# KiCad board OPS-K3572.kicad_pcb (continued)
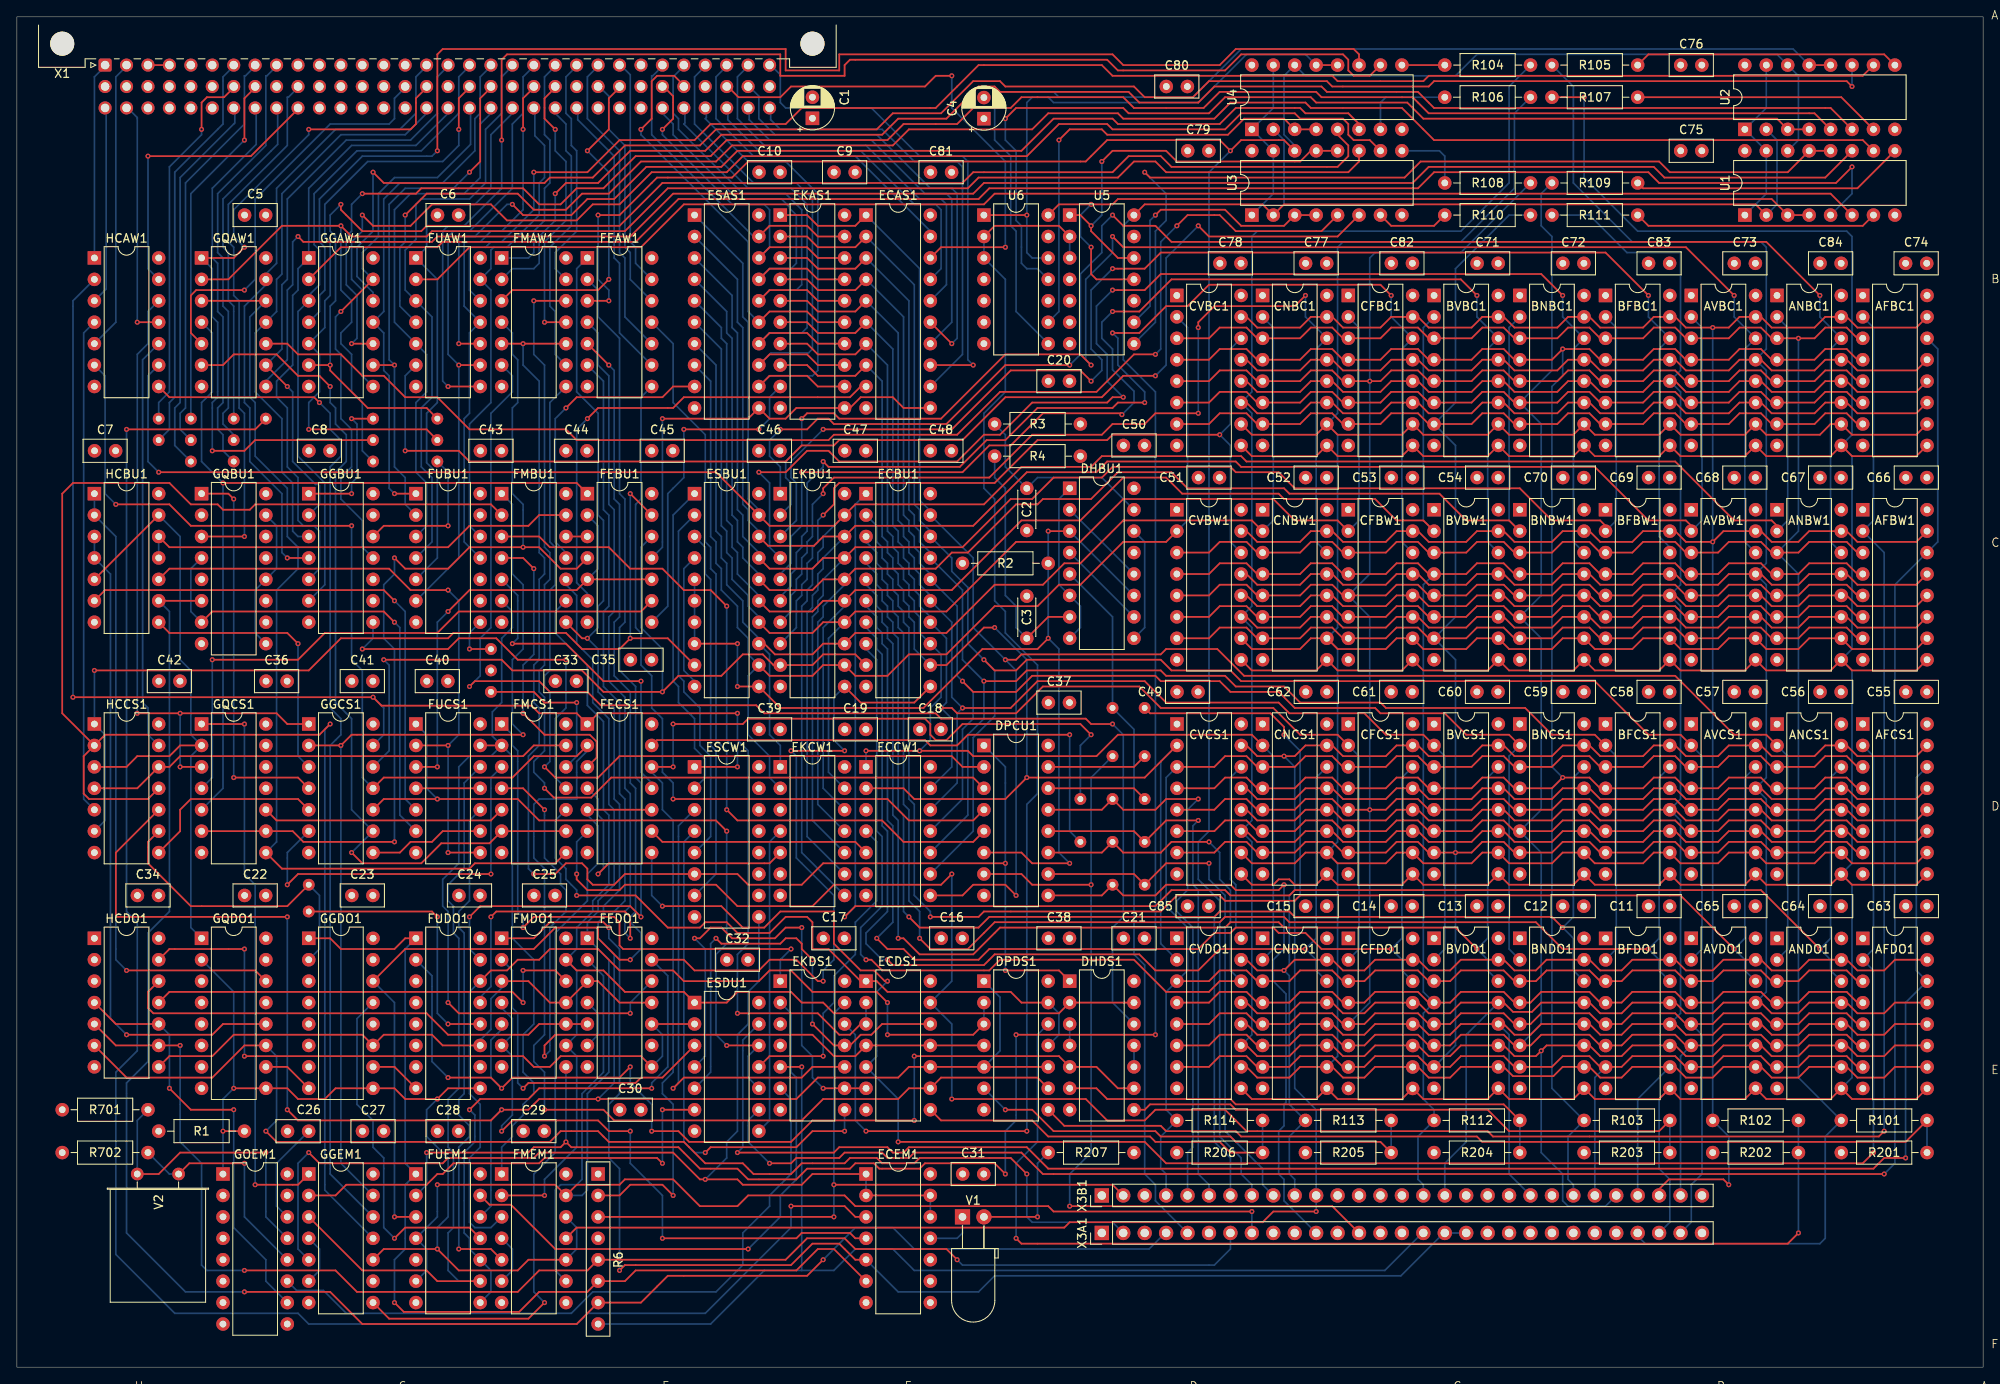
[diagram p0: board, top side]
## Routing (per net, layer and track width the routed paths; a pad name or vN(x,y) marks a point on that pad's centre or on a via; arc(x,y) is an arc through that point) (continued)
DR9: length 177.7
  Top w0.2: v1(108.24,53.37) 113.96,53.37 114.6,54.01 135.55,54.01 137.45,55.91 142.54,55.91 143.17,55.28 151.43,55.28 152.06,55.91 197.14,55.91 v1(203.5,49.56)
  Bottom w0.2: v1(108.24,53.37) 108.24,54.01 106.34,55.91 106.34,66.71 105.7,67.34 105.7,87.66 105.07,88.3 105.07,89.57 104.43,90.2 104.43,91.47 103.8,92.11 103.8,93.38 103.17,94.01 103.17,95.28 102.53,95.92 102.53,97.19 101.89,97.82 101.89,99.73 ECBU1.2 ; AVDO1.14 204.76,47.02 204.76,48.29 v1(203.5,49.56) 204.76,50.83 204.76,69.88 AVCS1.14
DR10: length 167.8
  Top w0.2: v1(193.33,49.56) 183.18,49.56 180,52.74 150.79,52.74 150.16,53.37 143.17,53.37 142.54,52.74 115.86,52.74 112.69,49.56 108.24,49.56 v1(106.98,50.83)
  Bottom w0.2: v1(106.98,50.83) 106.98,54.01 105.7,55.28 105.7,66.07 105.07,66.71 105.07,87.03 104.43,87.66 104.43,88.93 103.8,89.57 103.8,90.84 103.17,91.47 103.17,92.74 102.53,93.38 102.53,94.65 101.89,95.28 101.89,96.55 100.63,97.82 ECBU1.3 ; 195.88,45.75 194.61,47.02 194.61,48.29 v1(193.33,49.56) 194.61,50.83 194.61,69.88 BFCS1.14
DR11: length 151.7
  Top w0.2: v1(105.7,53.37) 106.98,52.1 113.96,52.1 115.23,53.37 141.9,53.37 142.54,54.01 150.79,54.01 151.43,53.37 181.91,53.37 v1(183.18,52.1)
  Bottom w0.2: ECBU1.4 100.63,95.28 101.89,94.01 101.89,92.74 102.53,92.11 102.53,90.84 103.17,90.2 103.17,88.93 103.8,88.3 103.8,87.03 104.43,86.39 104.43,66.07 105.07,65.44 105.07,54.01 v1(105.7,53.37) ; BNDO1.14 184.44,47.02 184.44,50.83 v1(183.18,52.1) 184.44,53.37 184.44,69.88 BNCS1.14
DR12: length 143.9
  Top w0.2: v1(173.01,49.56) 170.48,52.1 150.16,52.1 149.52,52.74 143.81,52.74 143.17,52.1 116.5,52.1 113.33,48.93 106.98,48.93 105.07,50.83 v1(104.43,50.83)
  Bottom w0.2: BVCS1.14 174.29,69.88 174.29,50.83 v1(173.01,49.56) 174.29,48.29 174.29,47.02 BVDO1.14 ; v1(104.43,50.83) 104.43,64.8 103.8,65.44 103.8,85.76 103.17,86.39 103.17,87.66 102.53,88.3 102.53,89.57 101.89,90.2 101.89,91.47 100.63,92.74 ECBU1.5
DR13: length 134.3
  Top w0.2: v1(101.89,50.83) 103.17,49.56 105.07,49.56 106.34,48.29 113.96,48.29 115.23,49.56 140,49.56 141.9,51.47 143.81,51.47 144.44,52.1 148.88,52.1 149.52,51.47 152.69,51.47 154.6,49.56 v1(162.86,49.56)
  Bottom w0.2: 165.39,45.75 164.12,47.02 164.12,48.29 v1(162.86,49.56) 164.12,50.83 164.12,69.88 CFCS1.14 ; v1(101.89,50.83) 103.8,52.74 103.8,64.17 103.17,64.8 103.17,85.12 102.53,85.76 102.53,87.03 101.89,87.66 101.89,88.93 100.63,90.2 ECBU1.6
DR14: length 123.2
  Top w0.2: v1(103.17,48.29) 103.8,47.66 114.6,47.66 115.86,48.93 133.01,48.93 134.92,47.02 140,47.02 142.54,49.56 v1(152.69,49.56)
  Bottom w0.2: v1(103.17,48.29) 102.53,48.29 100.63,50.2 100.63,51.47 103.17,54.01 103.17,63.53 102.53,64.17 102.53,84.49 101.89,85.12 101.89,86.39 100.63,87.66 ECBU1.7 ; CNDO1.14 153.96,47.02 153.96,48.29 v1(152.69,49.56) 153.96,50.83 153.96,69.88 CNCS1.14
DR15: length 114.2
  Top w0.2: CVDO1.14 142.54,45.75 141.26,44.48 136.19,44.48 132.38,48.29 116.5,48.29 115.23,47.02 102.53,47.02 101.26,48.29 v1(100.63,48.29)
  Bottom w0.2: v1(100.63,48.29) 99.99,48.93 99.99,52.1 102.53,54.64 102.53,62.9 101.89,63.53 101.89,83.85 100.63,85.12 ECBU1.8 ; 145.07,71.15 143.81,69.88 143.81,57.82 144.44,57.18 144.44,52.1 143.81,51.47 143.81,47.02 CVDO1.14
DR16: length 244.3
  Top w0.2: v1(221.27,22.89) 121.58,22.89 119.04,25.43 106.34,25.43 105.7,24.8 103.17,24.8 102.53,25.43 98.08,25.43 97.45,24.8 92.37,24.8 91.73,24.16 v1(89.2,24.16)
  Bottom w0.2: v1(221.27,22.89) 222.55,24.16 222.55,92.74 227.62,97.82 227.62,120.68 AFBC1.14 ; v1(89.2,24.16) 86.66,26.7 86.66,29.24 ESDU1.9
DR17: length 205.5
  Top w0.2: v1(85.39,25.43) 96.82,25.43 97.45,26.07 103.17,26.07 103.8,25.43 105.07,25.43 105.7,26.07 119.67,26.07 122.21,23.53 220,23.53 221.27,24.8 v1(223.81,24.8)
  Bottom w0.2: AFCS1.14 225.09,69.88 225.09,47.02 226.36,45.75 223.81,43.21 v1(223.81,24.8) ; v1(85.39,25.43) 86.02,26.07 86.02,38.77 ESDU1.13
H1: length 123.5
  Top w0.2: v1(124.76,59.72) 120.31,59.72 119.04,60.99 DPCU1.6 ; v1(85.39,80.68) ESBU1.11 90.47,78.14 107.44,78.14 114.42,85.12 120.95,85.12 v1(122.21,86.39) ; v1(122.21,99.09) DHBU1.3 ; v1(85.39,85.76) ESBU1.8
  Bottom w0.2: ESBU1.8 ESBU1.5 ; v1(124.76,59.72) 123.48,60.99 123.48,85.12 v1(122.21,86.39) R2.1 v1(122.21,99.09) ; v1(85.39,80.68) v1(85.39,85.76) ; DHBU1.3 DHBU1.11
H2: length 112.3
  Top w0.2: GGEM1.10 43.48,14 v1(49.83,14) 52.36,11.46 59.35,11.46 60.62,12.73 FMEM1.10 ; R1.1 v1(24.43,27.97) ; v1(25.7,33.05) GQDO1.9 32.05,33.05 33.31,31.78 36.49,31.78 37.76,33.05 GGDO1.9 44.75,33.05 46.02,31.78 v1(49.83,31.78) 51.09,33.05 FUDO1.9
  Bottom w0.2: GQDO1.2 25.7,44.48 v1(25.7,33.05) 24.43,31.78 v1(24.43,27.97) GOEM1.1 ; FMEM1.12 66.34,16.54 66.34,14 FMEM1.10 ; v1(49.83,14) 49.83,16.54 51.09,17.81 51.09,24.8 48.56,27.34 48.56,30.51 v1(49.83,31.78)
IR-CLK: length 167.2
  Top w0.2: FMEM1.11 66.34,16.54 124.12,16.54 124.76,17.18 147.62,17.18 148.88,18.45 v1(153.96,18.45) ; v1(150.16,74.96) 150.16,75.89 148.55,77.5 134.28,77.5 X7.1.1
  Bottom w0.2: v1(153.96,18.45) X3B1.11 153.96,30.51 151.43,33.05 151.43,55.28 152.06,55.91 152.06,73.06 v1(150.16,74.96)
MCLK: length 147.4
  Top w0.2: HCDO1.6 13,34.32 23.16,34.32 26.97,38.13 GQDO1.11 ; v1(119.67,22.89) 117.77,24.8 106.98,24.8 106.34,24.16 102.53,24.16 101.89,24.8 98.72,24.8 98.08,24.16 93,24.16 91.73,22.89 87.29,22.89 86.02,24.16 81.58,24.16 79.03,26.7 70.14,26.7 68.88,27.97 64.43,27.97 63.16,26.7 30.77,26.7 v1(29.51,27.97)
  Bottom w0.2: GQDO1.11 30.77,36.86 30.77,29.24 v1(29.51,27.97) ; v1(119.67,22.89) 119.67,17.81 120.31,17.18 129.83,17.18 X3A1.2
ORCLK: length 83.9
  Bottom w0.2: X3A1.5 134.92,19.72 134.92,21.62 133.64,22.89 133.64,47.66 132.38,48.93 132.38,75.6 X7.2.1 129.83,88.93 DHBU1.5
RAS: length 232.4
  Top w0.2: v1(71.42,11.46) 72.05,12.1 91.73,12.1 94.28,14.64 97.45,14.64 99.36,12.73 ECEM1.5 ; v1(70.14,52.1) 69.51,52.74 63.16,52.74 61.25,50.83 FMDO1.1
  Bottom w0.2: v1(71.42,11.46) 71.42,23.53 70.14,24.8 70.14,31.15 71.42,32.42 71.42,49.56 70.14,50.83 v1(70.14,52.1) 70.14,53.37 72.05,55.28 72.05,67.34 71.42,67.98 71.42,78.77 69.51,80.68 69.51,89.57 70.14,90.2 70.14,101 69.51,101.63 69.51,116.87 FEAW1.6 ; ECEM1.5 104.43,8.92 113.96,8.92 115.86,10.83 164.01,10.83 168.96,15.78 ; X3A1.17 X3A1.18
REF: length 319.5
  Top w0.2: U5.14 133.64,137.83 147.62,137.83 U3.2 150.16,137.83 206.04,137.83 U1.2 ; v1(117.14,22.89) 115.86,24.16 107.61,24.16 106.98,23.53 102.19,23.53 101.55,24.16 99.36,24.16 98.72,23.53 93.64,23.53 92.37,22.26 86.66,22.26 85.39,23.53 80.94,23.53 78.4,26.07 65.7,26.07 v1(65.06,26.7) 64.43,26.07 61.25,26.07 60.62,25.43 v1(48.56,25.43) ; v1(118.41,39.4) v1(134.92,39.4)
  Bottom w0.2: v1(48.56,25.43) 48.56,21.62 FUEM1.2 ; U4.2 150.16,145.45 150.16,137.83 U3.2 ; v1(117.14,22.89) 117.14,27.97 118.41,29.24 v1(118.41,39.4) ; U5.14 131.11,135.29 131.11,119.41 134.92,115.6 v1(134.92,39.4) ; U1.2 208.57,137.83 208.57,145.45 U2.2 ; FMDO1.8 v1(65.06,26.7)
STOPREFR: length 88.7
  Top w0.2: v1(96.82,17.81) R6.3 ; v1(96.82,21.62) 129.83,21.62 X3B1.2
  Bottom w0.2: v1(96.82,17.81) v1(96.82,21.62) 96.82,41.94 EKDS1.13
Net-(DHBU1A--F): length 10.8
  Bottom w0.2: 124.76,96.55 DHBU1.10
Net-(DHBU1A-B): length 10.8
  Bottom w0.2: 124.76,101.63 DHBU1.12
Net-(DHBU1A-RL): length 24
  Bottom w0.2: R3.2 117.14,110.52 117.14,106.71 C2.1 120.95,105.44 128.56,105.44 132.38,101.63
Net-(DHBU1B-RL): length 29.3
  Top w0.2: DHBU1.7 122.21,88.93 C3.1
  Bottom w0.2: C3.1 118.41,87.66 118.41,90.2 117.14,91.47 117.14,104.17 115.86,105.44 R4.2
Net-(DHDS1-Pad3): length 2.5
  Bottom w0.2: 124.76,40.67 DHDS1.4
Net-(DHDS1-Pad6): length 58.7
  Top w0.2: R112.1 176.19,31.15 144.44,31.15 143.81,31.78 129.2,31.78 127.93,33.05 DHDS1.6
  Bottom w0.2: R204.1 R112.1
Net-(DHDS1-Pad8): length 69.4
  Top w0.2: 132.38,30.51 133.64,30.51 134.28,31.15 143.81,31.15 144.44,30.51 174.29,30.51 176.82,27.97 194.61,27.97 R103.1
  Bottom w0.2: R203.1 R103.1
Net-(DHDS1-Pad10): length 2.5
  Bottom w0.2: DHDS1.11 DHDS1.10
Net-(DHDS1-Pad13): length 155.5
  Top w0.2: v1(62.53,20.35) FMEM1.2 ; FMDO1.13 66.34,47.02 69.51,47.02 72.05,44.48 79.03,44.48 ESDU1.1 84.11,43.21 85.39,44.48 91.73,44.48 93,43.21 95.55,43.21 96.82,41.94 123.48,41.94 DHDS1.2 DHDS1.13
  Bottom w0.2: v1(62.53,20.35) 62.53,22.26 66.34,26.07 66.34,36.86 FMDO1.9 66.34,39.4 66.34,47.02 FMDO1.13 66.34,49.56 66.34,52.1 68.24,54.01 68.24,55.28 70.14,57.18 70.14,65.44 69.51,66.07 69.51,76.53 67.61,78.43 67.61,83.22 63.8,87.03 63.8,89.57 FMBU1.9
Net-(DPCU1-A1): length 101.4
  Top w0.2: v1(62.53,71.15) 63.8,69.88 68.88,69.88 71.42,72.42 110.79,72.42 112.05,71.15 DPCU1.2
  Bottom w0.2: FMAW1.8 63.16,114.33 63.16,97.82 63.8,97.19 63.8,92.74 63.16,92.11 63.16,82.58 62.53,81.95 62.53,80.68 63.16,80.04 63.16,71.79 v1(62.53,71.15)
Net-(DPCU1-A2): length 118.3
  Top w0.2: DPCU1.3 113.33,69.88 70.43,69.88 68.06,67.51 63.62,67.51 v1(62.53,68.61) ; v1(61.25,126.4) FMAW1.12
  Bottom w0.2: v1(61.25,126.4) 61.25,120.05 62.53,118.78 62.53,97.19 63.16,96.55 63.16,93.38 62.53,92.74 62.53,83.22 61.89,82.58 61.89,80.04 62.53,79.41 62.53,73.06 61.25,71.79 61.25,70.52 62.53,69.25 v1(62.53,68.61)
Net-(DPCU1-E1): length 89.9
  Top w0.2: v1(77.77,67.34) 103.17,67.34 105.7,64.8 113.33,64.8 DPCU1.4
  Bottom w0.2: v1(77.77,67.34) 77.77,69.25 76.5,70.52 76.5,76.87 75.23,78.14 75.23,81.95 73.95,83.22 73.95,87.03 73.32,87.66 73.32,102.27 73.95,102.9 73.95,114.97 FEAW1.8
Net-(DPCU1-E2): length 94.1
  Top w0.2: DPCU1.5 113.33,62.26 105.07,62.26 102.53,64.8 85.39,64.8 v1(84.11,66.07)
  Bottom w0.2: FEAW1.11 77.77,121.32 77.77,114.33 81.58,110.52 81.58,97.82 82.21,97.19 82.21,94.65 82.84,94.01 82.84,74.33 84.11,73.06 v1(84.11,66.07)
Net-(DPCU1-O0): length 12
  Top w0.2: X8.1.1 132.38,71.15 DPCU1.15
Net-(DPCU1-O1): length 12
  Top w0.2: DPCU1.14 132.38,68.61 X8.2.1
Net-(DPDS1-Pad1): length 286.7
  Top w0.2: v1(67.61,86.39) 66.97,86.39 FMBU1.8 ; DPDS1.10 DPDS1.5 ECDS1.10 105.7,35.59 104.43,34.32 94.91,34.32 92.37,31.78 v1(68.88,31.78) 61.89,31.78 60.62,30.51 v1(57.45,30.51) 56.17,29.24 33.31,29.24 v1(32.05,30.51) ; v1(32.05,53.37) 11.73,53.37 11.73,60.99 HCCS1.10
  Bottom w0.2: v1(57.45,30.51) 56.17,29.24 56.17,19.08 FUEM1.12 ; v1(68.88,31.78) 70.78,33.69 70.78,48.93 68.88,50.83 68.88,52.74 69.51,53.37 69.51,54.64 71.42,56.55 71.42,66.71 70.78,67.34 70.78,78.14 68.88,80.04 68.88,85.12 v1(67.61,86.39) 68.88,87.66 68.88,90.2 69.51,90.84 69.51,100.36 68.88,101 68.88,113.06 66.34,115.6 66.34,130.21 FEAW1.1 ; DPDS1.1 116.5,43.85 116.5,37.5 DPDS1.5 ; v1(32.05,30.51) v1(32.05,53.37)
Net-(DPDS1-Pad6): length 55.2
  Top w0.2: v1(117.14,30.51) 120.31,30.51 122.85,27.97 134.92,27.97 135.55,27.34 143.81,27.34 144.44,26.7 161.58,26.7 R205.1
  Bottom w0.2: R205.1 R113.1 ; DPDS1.6 v1(117.14,30.51)
Net-(DPDS1-Pad8): length 110.6
  Top w0.2: R101.1 223.81,26.7 173.65,26.7 173.01,27.34 145.07,27.34 144.44,27.97 136.19,27.97 135.55,28.61 124.12,28.61 122.21,30.51
  Bottom w0.2: R201.1 R101.1
Net-(DPDS1-Pad12): length 133.8
  Top w0.2: v1(211.12,15.91) 209.85,14.64 119.04,14.64 v1(118.41,15.27)
  Bottom w0.2: v1(211.12,15.91) R202.1 R102.1 ; 122.21,40.67 120.95,39.4 120.95,26.7 118.41,24.16 v1(118.41,15.27)
Net-(ECCW1-8): length 38
  Top w0.2: ESDU1.11 89.2,36.86 v1(95.55,36.86)
  Bottom w0.2: ECCW1.4 101.89,62.26 101.89,55.28 99.36,52.74 99.36,48.93 96.82,46.39 96.82,43.21 95.55,41.94 v1(95.55,36.86)
Net-(ECCW1-F1): length 26.5
  Top w0.2: ECCW1.5 99.36,62.26 76.5,62.26 FECS1.9
Net-(ECDS1-Pad6): length 55.8
  Top w0.2: v1(95.55,33.05) ECDS1.6 ; v1(93,52.1) 91.1,52.1 89.83,50.83 84.75,50.83 83.48,52.1 82.21,52.1 80.94,50.83 v1(80.31,50.83)
  Bottom w0.2: v1(80.31,50.83) 81.58,49.56 81.58,36.86 ESDU1.4 ; v1(93,52.1) 93,38.13 94.28,36.86 94.28,34.32 v1(95.55,33.05)
Net-(ECDS1-Pad8): length 45.3
  Top w0.2: 108.24,30.51 109.52,29.24 120.31,29.24 122.21,27.34 134.28,27.34 134.92,26.7 142.54,26.7 143.81,25.43 R206.1
  Bottom w0.2: R206.1 R114.1
Net-(ECDS1-Pad12): length 55.9
  Top w0.2: v1(94.28,48.29) 93,49.56 93,50.2 92.37,50.83 91.1,50.83 90.47,50.2 83.48,50.2 v1(82.84,50.83) ; v1(94.28,40.67) 96.82,38.13 EKDS1.11 98.72,38.13 99.99,39.4 101.26,39.4 102.53,40.67 108.24,40.67
  Bottom w0.2: v1(82.84,50.83) 82.21,50.2 82.21,34.96 ESDU1.5 ; v1(94.28,48.29) v1(94.28,40.67)
Net-(ECEM1-Pad4): length 72.6
  Top w0.2: v1(76.5,15.27) 92.37,15.27 93,15.91 98.72,15.91 99.36,15.27 ECEM1.4 ; v1(72.69,27.97) 70.14,27.97 68.88,29.24 58.72,29.24 v1(57.45,27.97)
  Bottom w0.2: v1(76.5,15.27) 76.5,20.35 72.69,24.16 v1(72.69,27.97) ; FMDO1.4 57.45,42.58 58.72,41.31 58.72,39.4 FMDO1.6 58.72,36.86 58.72,29.88 57.45,28.61 v1(57.45,27.97)
Net-(EKCW1-8): length 36.6
  Bottom w0.2: EKCW1.4 89.2,62.26 89.2,29.24 ESDU1.8
Net-(EKCW1-F1): length 33.9
  Top w0.2: v1(68.88,58.45) 70.14,59.72 89.2,59.72 EKCW1.5
  Bottom w0.2: FECS1.4 68.88,67.34 68.88,65.44 69.51,64.8 69.51,59.09 v1(68.88,58.45)
Net-(EKDS1-Pad1): length 65
  Top w0.2: v1(91.73,49.56) 71.84,49.56 71.42,49.98 71.42,52.74 70.78,53.37 61.25,53.37 v1(59.98,52.1)
  Bottom w0.2: v1(59.98,52.1) 59.98,53.37 59.35,54.01 59.35,73.06 58.72,73.69 58.72,74.96 FMCS1.1 ; EKDS1.1 90.47,48.29 v1(91.73,49.56)
Net-(EKDS1-Pad2): length 66.7
  Top w0.2: FUEM1.13 56,19.25 58.55,19.25 63.8,14 v1(86.66,14)
  Bottom w0.2: EKDS1.2 91.73,41.94 91.73,34.96 92.37,34.32 92.37,22.26 90.47,20.35 90.47,17.81 v1(86.66,14)
Net-(ESBU1-DI0): length 38.1
  Bottom w0.2: ESBU1.1 77.77,101 77.77,81.31 78.4,80.68 78.4,78.77 80.31,76.87 80.31,73.35 81.58,72.08 81.58,69.88 ESCW1.2
Net-(ESBU1-DI1): length 43.2
  Bottom w0.2: ESBU1.2 78.4,99.09 78.4,81.95 79.03,81.31 79.03,80.04 80.94,78.14 80.94,73.69 82.21,72.42 82.21,62.9 ESCW1.5
Net-(ESBU1-DI2): length 44.6
  Bottom w0.2: ESBU1.3 81.58,97.19 81.58,94.01 82.21,93.38 82.21,73.69 82.84,73.06 82.84,58.45 ESCW1.7
Net-(ESCW1-C): length 129.4
  Top w0.2: ECEM1.1 94.28,22.89 93,21.62 86.02,21.62 85.39,22.26 v1(81.58,22.26) 80.94,22.26 77.77,25.43 61.89,25.43 61.26,24.8 51.09,24.8 50.46,24.16 35.86,24.16 v1(34.59,25.43) ; ECEM1.2 ECEM1.13
  Bottom w0.2: ESCW1.9 87.92,45.75 86.66,44.48 86.66,40.67 85.39,39.4 85.39,27.97 84.11,26.7 84.11,24.8 v1(81.58,22.26) ; ECEM1.1 ECEM1.2 ; GGEM1.5 33.31,14 33.31,24.16 v1(34.59,25.43) ; ECEM1.13 ECEM1.12
Net-(ESCW1-D1): length 55.4
  Top w0.2: EKDS1.10 94.28,35.59 93,34.32 79.03,34.32 v1(77.77,33.05)
  Bottom w0.2: v1(77.77,33.05) 78.4,33.69 78.4,64.17 ESCW1.3
Net-(ESCW1-D2): length 60.5
  Top w0.2: v1(81.58,25.43) 82.21,26.07 92.37,26.07 94.28,27.97 v1(98.08,27.97)
  Bottom w0.2: 98.08,30.51 v1(98.08,27.97) ; ESCW1.4 79.03,62.26 79.03,26.7 80.31,25.43 v1(81.58,25.43)
Net-(ESCW1-R): length 54.7
  Top w0.2: v1(84.11,90.2) 82.21,92.11 79.03,92.11 76.5,94.65 72.69,94.65 70.14,97.19 63.16,97.19 61.89,98.46 FMBU1.3 ; v1(85.39,71.15) ESCW1.1
  Bottom w0.2: v1(85.39,71.15) 85.39,73.06 84.11,74.33 v1(84.11,90.2)
Net-(ESDU1-Pad2): length 84.4
  Top w0.2: HCDO1.13 18.08,49.56 v1(26.97,49.56) ; v1(26.97,36.86) 59.98,36.86 61.25,35.59 63.16,35.59 64.43,36.86 73.95,36.86 FEDO1.8 ; FEDO1.10 ESDU1.2
  Bottom w0.2: FEDO1.10 76.5,39.4 76.5,36.86 FEDO1.8 ; v1(26.97,49.56) v1(26.97,36.86)
Net-(ESDU1-Pad3): length 38.7
  Top w0.2: v1(59.98,33.05) 60.62,33.69 73.32,33.69 73.95,34.32 76.5,34.32 ESDU1.3
  Bottom w0.2: FMDO1.2 58.72,47.02 58.72,42.58 59.35,41.94 59.35,33.69 v1(59.98,33.05)
Net-(ESDU1-Pad6): length 54.2
  Top w0.2: v1(76.5,24.16) 75.86,24.8 62.53,24.8 61.89,24.16 51.73,24.16 50.46,22.89 49.83,22.89 48.56,21.62 39.03,21.62 37.76,20.35 GGEM1.2 ; ESDU1.6 v1(76.5,30.51)
  Bottom w0.2: v1(76.5,30.51) v1(76.5,24.16)
Net-(ESDU1-Pad10): length 90.4
  Top w0.2: v1(84.11,63.53) 82.84,64.8 61.89,64.8 59.35,67.34 v1(49.83,67.34) 43.48,67.34 GGCS1.10 ; ESDU1.12 v1(84.11,38.13)
  Bottom w0.2: v1(84.11,38.13) 82.84,39.4 82.84,48.93 84.11,50.2 v1(84.11,63.53) ; ESDU1.12 86.66,36.86 86.66,34.32 ESDU1.10 ; v1(49.83,67.34) 48.56,68.61 48.56,74.96 FUCS1.1
Net-(FEBU1-Pad3): length 2.5
  Top w0.2: FMBU1.12 FEBU1.3
Net-(FEBU1-Pad4): length 112.4
  Top w0.2: GQCS1.6 GQCS1.9 32.68,63.53 33.95,62.26 v1(44.75,62.26) ; FEBU1.4 66.34,94.65 64.43,94.65 61.89,97.19 v1(59.98,97.19) 53.64,97.19 51.09,94.65 46.02,94.65 v1(44.75,95.92)
  Bottom w0.2: v1(59.98,97.19) 59.98,102.27 58.72,103.54 58.72,113.7 59.35,114.33 59.35,119.41 58.72,120.05 58.72,122.59 FMAW1.4 ; v1(44.75,95.92) 44.75,94.01 43.48,92.74 43.48,86.39 44.75,85.12 v1(44.75,62.26)
Net-(FEBU1-Pad9): length 70.7
  Top w0.2: v1(23.16,83.85) 33.31,83.85 36.49,87.03 49.83,87.03 52.36,89.57 73.95,89.57 FEBU1.9
  Bottom w0.2: GQCS1.4 23.16,69.88 v1(23.16,83.85)
Net-(FEBU1-Pad10): length 55.9
  Top w0.2: FUCS1.3 v1(49.83,71.15) ; FEBU1.10 FEBU1.5 66.34,92.11 53.64,92.11 v1(51.09,89.57)
  Bottom w0.2: v1(51.09,89.57) 49.83,88.3 v1(49.83,71.15) ; FEBU1.5 68.88,94.65 68.88,99.73 FEBU1.2
Net-(FECS1-Pad3): length 35.6
  Top w0.2: FECS1.3 68.7,72.25 68.7,74.15 67.89,74.96 62.53,74.96 v1(59.98,77.5) ; v1(61.25,94.65) 59.98,95.92 FMBU1.4
  Bottom w0.2: v1(59.98,77.5) 59.98,83.22 61.25,84.49 v1(61.25,94.65)
Net-(FECS1-Pad10): length 92.1
  Top w0.2: v1(62.53,7.65) 60.62,5.75 44.11,5.75 GGEM1.8 ; FECS1.5 FECS1.10
  Bottom w0.2: FECS1.5 67.61,65.44 68.88,64.17 68.88,59.72 67.61,58.45 67.61,55.28 63.8,51.47 63.8,25.43 61.25,22.89 61.25,8.92 v1(62.53,7.65)
Net-(FECS1-Pad11): length 39
  Top w0.2: v1(73.95,81.31) 69.51,81.31 65.06,85.76 v1(58.72,85.76)
  Bottom w0.2: v1(58.72,85.76) 59.35,86.39 59.35,91.47 FMBU1.5 ; FECS1.11 75.23,69.25 73.95,70.52 v1(73.95,81.31)
Net-(FEDO1-Pad2): length 42.9
  Bottom w0.2: FEDO1.2 69.51,46.39 69.51,34.96 66.97,32.42 66.97,22.26 66.34,21.62 64.43,21.62 63.8,20.99 63.8,11.46 FMEM1.9
Net-(FEDO1-Pad4): length 6.1
  Bottom w0.2: FEDO1.4 68.88,41.94 68.88,39.4 FEDO1.6
Net-(FEDO1-Pad5): length 57.6
  Top w0.2: FEDO1.5 FMDO1.10 61.89,40.67 60.62,39.4 51.09,39.4 48.56,41.94 16.17,41.94 15.54,42.58 15.54,44.48 HCDO1.12
Net-(FMBU1-Pad1): length 111.5
  Top w0.2: 34.59,73.69 v1(38.39,73.69) 39.67,74.96 v1(59.98,74.96)
  Bottom w0.2: v1(59.98,74.96) 58.72,76.23 58.72,83.85 59.98,85.12 59.98,92.74 58.72,94.01 58.72,102.27 FMBU1.1 ; GGEM1.13 38.39,24.16 v1(38.39,73.69)
Net-(FMBU1-Pad2): length 194.6
  Top w0.2: v1(37.12,76.23) 35.86,74.96 10.45,74.96 9.19,73.69 ; FMBU1.2 56.17,102.27 28.23,102.27 27.6,101.63 24.43,101.63 23.79,102.27 20.62,102.27 18.08,104.81 6.65,104.81 5.38,103.54 5.38,77.5 9.19,73.69 ; 9.19,73.69 7.91,72.42 7.91,67.98 8.55,67.34 15.54,67.34 HCCS1.11
  Bottom w0.2: v1(37.12,76.23) 36.49,75.6 36.49,20.99 GGEM1.11
Net-(FMCS1-Pad3): length 45.3
  Top w0.2: v1(32.05,57.18) 33.31,58.45 v1(56.17,58.45)
  Bottom w0.2: v1(32.05,57.18) 32.05,60.99 GGCS1.6 ; v1(56.17,58.45) 56.17,69.88 FMCS1.3
Net-(FMCS1-Pad5): length 29
  Top w0.2: FMCS1.5 56.17,64.8 30.77,64.8 GQCS1.10
Net-(FMCS1-Pad6): length 104.3
  Top w0.2: FMCS1.9 FMCS1.6 56,62.09 50.29,62.09 47.92,59.72 40.94,59.72 v1(39.67,60.99) ; v1(37.12,116.24) 35.86,117.51 33.31,117.51 30.77,120.05 25.7,120.05 24.43,118.78 GQAW1.6
  Bottom w0.2: v1(39.67,60.99) GGCS1.9 39.67,66.07 39.67,76.87 37.76,78.77 37.76,106.08 39.03,107.35 39.03,110.52 37.76,111.79 37.76,113.7 37.12,114.33 v1(37.12,116.24)
Net-(FMCS1-Pad11): length 45.7
  Top w0.2: v1(65.06,83.85) 59.35,83.85 56.81,86.39 52.36,86.39 51.09,85.12 v1(40.94,85.12)
  Bottom w0.2: v1(65.06,83.85) 65.06,78.14 63.8,76.87 63.8,69.88 FMCS1.11 ; v1(40.94,85.12) 42.2,86.39 GGBU1.8
Net-(FMDO1-Pad12): length 53.6
  Top w0.2: v1(59.98,47.02) 63.8,47.02 FMDO1.12 ; v1(59.98,43.21) 58.72,44.48 18.08,44.48 HCDO1.11
  Bottom w0.2: v1(59.98,47.02) v1(59.98,43.21)
Net-(FMEM1-Pad4): length 6.1
  Bottom w0.2: FMEM1.6 58.72,11.46 58.72,14 FMEM1.4
Net-(FMEM1-Pad5): length 60.3
  Top w0.2: FMEM1.5 56.17,14 v1(52.36,14)
  Bottom w0.2: FUCS1.10 53.64,64.8 53.64,55.28 52.36,54.01 52.36,52.1 53,51.47 53,32.42 52.36,31.78 52.36,29.88 53.64,28.61 53.64,27.34 52.36,26.07 v1(52.36,14)
Net-(FUCS1-Pad11): length 7.6
  Top w0.2: FUCS1.4 FUCS1.11
Net-(FUCS1-Pad12): length 90.7
  Top w0.2: FUEM1.9 49.83,10.19 48.56,11.46 40.94,11.46 GGEM1.3
  Bottom w0.2: FUEM1.9 52.36,10.19 51.09,11.46 51.09,15.91 51.73,16.54 51.73,25.43 51.09,26.07 51.09,31.78 52.36,33.05 52.36,50.83 51.73,51.47 51.73,54.64 51.09,55.28 51.09,57.18 53,59.09 53,69.25 FUCS1.12
Net-(FUDO1-0): length 105.7
  Top w0.2: v1(53.64,53.37) 54.91,54.64 72.69,54.64 v1(73.95,53.37)
  Bottom w0.2: FUDO1.15 53.64,49.56 v1(53.64,53.37) ; v1(73.95,53.37) 73.95,69.25 73.32,69.88 73.32,80.68 71.42,82.58 71.42,87.66 72.05,88.3 72.05,102.9 71.42,103.54 71.42,121.95 68.88,124.49 68.88,127.67 FEAW1.2
Net-(FUDO1-1): length 106.6
  Top w0.2: 114.6,40.67 113.33,39.4 v1(103.17,39.4) ; v1(103.17,43.21) 101.89,44.48 94.28,44.48 91.73,47.02 89.2,47.02 87.92,45.75 79.03,45.75 77.77,47.02 71.42,47.02 68.88,49.56 63.16,49.56 61.89,48.29 59.35,48.29 58.08,47.02 56.17,47.02 FUDO1.14
  Bottom w0.2: v1(103.17,39.4) v1(103.17,43.21) ; FUDO1.14 53.64,44.48 53.64,32.42 54.91,31.15 54.91,26.07 53.64,24.8 53.64,17.18 54.27,16.54 56.17,16.54 FMEM1.3 ; DPDS1.2 114.6,40.67
Net-(FUDO1-2): length 106.4
  Top w0.2: v1(72.69,50.83) 72.69,53.37 72.05,54.01 56.81,54.01 v1(56.17,53.37)
  Bottom w0.2: v1(72.69,50.83) 72.05,51.47 72.05,54.01 72.69,54.64 72.69,67.98 72.05,68.61 72.05,79.41 70.14,81.31 70.14,88.93 70.78,89.57 70.78,101.63 70.14,102.27 70.14,117.51 68.88,118.78 68.88,122.59 FEAW1.4 ; v1(56.17,53.37) 56.17,45.12 54.91,43.85 FUDO1.13
Net-(FUDO1-3): length 32.5
  Top w0.2: X12.2.1 49.19,54.01 v1(49.83,53.37) ; v1(51.09,40.67) FUDO1.12
  Bottom w0.2: v1(49.83,53.37) 49.83,41.94 v1(51.09,40.67)
Net-(FUDO1-AR): length 124
  Top w0.2: v1(72.69,35.59) 71.42,34.32 58.72,34.32 v1(57.45,33.05) 56.17,34.32 v1(51.09,34.32) ; v1(106.34,36.86) 123.48,36.86 DHDS1.5 127.93,35.59 130.47,33.05 DHDS1.9 ; v1(75.23,27.97) 78.4,27.97 79.67,26.7 91.73,26.7 94.28,29.24 v1(106.34,29.24)
  Bottom w0.2: v1(72.69,35.59) 72.69,33.69 75.23,31.15 v1(75.23,27.97) ; v1(57.45,33.05) 56.17,34.32 56.17,38.77 57.45,40.04 FMDO1.5 ; FUDO1.2 49.19,46.39 49.19,36.23 v1(51.09,34.32) ; v1(106.34,36.86) v1(106.34,29.24)
Net-(FUDO1-R): length 120
  Top w0.2: FUDO1.1 46.02,50.83 44.75,49.56 38.39,49.56 37.12,50.83 GGDO1.1 ; v1(44.75,7.65) 45.84,6.55 59.52,6.55 61.89,8.92 67.61,8.92 R6.6 72.05,10.19 73.32,11.46 92.37,11.46 94.91,14 96.82,14 ECEM1.6
  Bottom w0.2: FUDO1.1 46.02,49.56 46.02,24.16 FUEM1.1 46.02,21.62 46.02,14 44.75,12.73 v1(44.75,7.65)
Net-(FUDO1-T): length 70.9
  Top w0.2: FEDO1.11 71.42,43.21 68.88,45.75 FEDO1.3 FMDO1.11 63.16,43.21 60.62,45.75 FMDO1.3 ; FUDO1.11 50.46,38.13 49.19,39.4 43.48,39.4 GGDO1.11 40.94,39.4 25.7,39.4 23.16,36.86 18.08,36.86 HCDO1.8
  Bottom w0.2: FUDO1.11 54.91,38.77 56.17,40.04 56.17,43.67 57.45,44.94 FMDO1.3
Net-(GGCS1-Pad1): length 79.7
  Top w0.2: v1(19.34,71.15) GQCS1.3 ; v1(14.27,77.5) v1(19.34,77.5) 30.77,77.5 32.05,76.23 GGCS1.1
  Bottom w0.2: v1(14.27,77.5) 14.27,120.05 15.54,121.32 15.54,125.13 HCAW1.12 ; v1(19.34,77.5) v1(19.34,71.15)
Net-(GGCS1-Pad3): length 32.7
  Top w0.2: v1(33.31,85.76) 32.05,87.03 18.08,87.03 HCBU1.8
  Bottom w0.2: v1(33.31,85.76) 33.31,72.42 GGCS1.3
Net-(GGCS1-Pad5): length 22.4
  Top w0.2: GGCS1.5 33.31,67.34 20.62,67.34 19.34,66.07 19.34,63.53 HCCS1.8
Net-(GGDO1-1): length 144.2
  Top w0.2: v1(70.14,118.78) FEAW1.5 ; GGDO1.14 46.02,49.56 61.25,49.56 63.8,52.1 68.88,52.1 68.88,50.83 71.42,48.29 v1(72.69,48.29) ; v1(44.75,17.81) FUEM1.3
  Bottom w0.2: v1(44.75,17.81) 44.75,43.21 GGDO1.14 ; v1(70.14,118.78) 70.78,118.14 70.78,102.9 71.42,102.27 71.42,88.93 70.78,88.3 70.78,81.95 72.69,80.04 72.69,69.25 73.32,68.61 73.32,54.01 72.69,53.37 72.69,52.74 73.95,51.47 73.95,49.56 v1(72.69,48.29)
Net-(GGDO1-2): length 41.8
  Top w0.2: v1(44.75,15.27) 46.02,16.54 53.64,16.54 FUEM1.11
  Bottom w0.2: v1(44.75,15.27) 43.48,16.54 43.48,24.8 42.2,26.07 42.2,29.24 40.3,31.15 40.3,41.31 GGDO1.13
Net-(GGDO1-AR): length 36.5
  Top w0.2: X12.1.1 32.05,54.64 20.62,54.64 15.54,59.72 15.54,62.26 HCCS1.9
  Bottom w0.2: GGDO1.2 35.86,49.56 35.86,55.91 X12.1.1
Net-(GGEM1-Pad1): length 67.1
  Top w0.2: v1(26.97,76.23) GQCS1.1 ; v1(28.23,21.62) 33.31,21.62 GGEM1.1
  Bottom w0.2: v1(26.97,76.23) 26.97,58.45 28.23,57.18 v1(28.23,21.62)
Net-(GGEM1-Pad4): length 6.1
  Bottom w0.2: GGEM1.6 35.86,11.46 35.86,14 GGEM1.4
Net-(GGEM1-Pad12): length 121.1
  Top w0.2: v1(35.86,114.33) 35.22,114.97 18.08,114.97 HCAW1.8
  Bottom w0.2: GGEM1.12 37.12,22.89 37.12,73.69 38.39,74.96 38.39,76.87 37.12,78.14 37.12,106.71 38.39,107.98 38.39,109.89 37.12,111.16 37.12,113.06 v1(35.86,114.33)
Net-(GOEM1B-C-Pad12): length 26.5
  Top w0.2: v1(26.97,24.16) 20.44,24.16 V2.2
  Bottom w0.2: R702.2 18.08,22.89 V2.2 ; GOEM1.12 26.97,17.81 v1(26.97,24.16)
Net-(GOEM1B-C-Pad13): length 35.7
  Top w0.2: V2.1 16.8,22.89 19.34,25.43 v1(29.51,25.43)
  Bottom w0.2: R701.2 14.27,29.24 V2.1 ; v1(29.51,25.43) 29.51,17.81 GOEM1.13
Net-(GOEM1B-EN): length 81.8
  Bottom w0.2: EKDS1.6 91.73,31.78 91.73,22.89 89.2,20.35 89.2,19.08 86.02,15.91 86.02,12.1 82.84,8.92 68.24,8.92 65.7,6.38 39.03,6.38 36.32,9.09 33.14,9.09 GOEM1.11
Net-(GOEM1B-F): length 51
  Top w0.2: v1(25.7,30.51) 20.62,30.51 v1(18.08,33.05) ; HCDO1.10 11.73,40.67 HCDO1.4
  Bottom w0.2: GOEM1.10 29.51,10.19 29.51,12.73 25.7,16.54 v1(25.7,30.51) ; HCDO1.10 18.08,39.4 v1(18.08,33.05)
Net-(GQBU1-CS): length 46.5
  Top w0.2: GQBU1.1 25.06,103.54 v1(25.7,102.9) ; GGCS1.4 33.31,69.88 v1(25.7,69.88)
  Bottom w0.2: v1(25.7,102.9) v1(25.7,69.88)
Net-(GQBU1-DI0): length 58.4
  Top w0.2: v1(44.75,88.3) 43.48,89.57 23.16,89.57 GQBU1.7
  Bottom w0.2: GQBU1.4 20.62,94.65 20.62,89.57 GQBU1.7 ; FUCS1.6 45.38,65.44 45.38,87.66 v1(44.75,88.3)
Net-(GQDO1-1): length 75.1
  Top w0.2: v1(13,47.02) 28.23,47.02 GQDO1.14
  Bottom w0.2: HCBU1.1 HCBU1.2 11.73,98.46 11.73,48.29 v1(13,47.02)
Net-(GQDO1-3): length 77.7
  Top w0.2: v1(13,39.4) 23.16,39.4 24.43,40.67 GQDO1.12
  Bottom w0.2: HCBU1.3 HCBU1.4 11.09,94.01 11.09,41.31 v1(13,39.4)
Net-(GQDO1-R): length 77.8
  Top w0.2: 21.89,73.69 19.34,73.69 18.08,72.42 14.27,72.42 13,71.15 HCCS1.3 ; HCBU1.5 HCBU1.13
  Bottom w0.2: GQDO1.1 20.62,52.1 20.62,72.42 21.89,73.69 20.62,74.96 20.62,82.58 19.34,83.85 19.34,98.46 HCBU1.13
Net-(HCAW1-Pad4): length 58.8
  Bottom w0.2: HCAW1.4 7.91,122.59 7.91,67.34 HCCS1.5
Net-(HCAW1-Pad10): length 49.2
  Bottom w0.2: 16.8,73.69 15.54,74.96 15.54,78.14 14.9,78.77 14.9,119.41 HCAW1.10
Net-(R6A-R1.2): length 131.5
  Top w0.2: R6.2 71.42,20.35 72.69,21.62 76.5,21.62 v1(77.77,20.35) ; v1(127.3,74.96) 126.02,76.23 112.05,76.23 110.15,74.33 108.88,74.33 108.24,74.96 108.24,76.23 107.61,76.87 86.66,76.87 86.02,76.23 v1(77.77,76.23) ; FECS1.12 v1(77.77,71.15)
  Bottom w0.2: v1(77.77,20.35) 77.77,31.15 76.5,32.42 76.5,33.69 77.77,34.96 77.77,64.8 76.5,66.07 76.5,69.25 75.23,70.52 FECS1.12 ; v1(127.3,74.96) 126.02,73.69 X8.9.1 ; v1(77.77,71.15) v1(77.77,76.23)
Net-(U1-1C2): length 106.4
  Top w0.2: v1(127.3,132.75) 127.3,129.57 127.93,128.94 U5.11 ; U6.14 123.48,137.83 v1(127.3,137.83) 129.83,137.83 130.47,138.46 207.94,138.46 U1.3 U1.4
  Bottom w0.2: v1(127.3,137.83) 126.02,136.56 126.02,134.02 v1(127.3,132.75)
Net-(U1-1Y): length 29
  Top w0.2: R111.1 193.33,135.29 218.74,135.29 U1.7
Net-(U1-2C2): length 106.9
  Top w0.2: v1(133.64,141.64) 134.28,141 164.44,141 166.35,142.91 194.61,142.91 195.88,141.64 209.85,141.64 U1.13 U1.12
  Bottom w0.2: U5.8 134.92,123.86 134.92,134.65 136.19,135.92 136.19,139.1 v1(133.64,141.64)
Net-(U1-2Y): length 32.6
  Top w0.2: U1.9 218.1,139.73 192.7,139.73 R109.1
Net-(U2-1C2): length 120.3
  Top w0.2: v1(117.14,147.99) 118.41,149.26 131.11,149.26 131.74,148.62 141.26,148.62 143.17,150.53 153.33,150.53 153.96,149.89 164.76,149.89 166.67,147.99 208.57,147.99 U2.3 U2.4
  Bottom w0.2: v1(117.14,147.99) 117.14,145.45 118.41,144.18 118.41,135.92 119.04,135.29 119.04,130.84 119.67,130.21 120.95,130.21 U6.11
Net-(U2-1Y): length 29.5
  Top w0.2: R107.1 216.19,150.53 U2.7
Net-(U2-2C2): length 134.9
  Top w0.2: U2.13 U2.12
  Bottom w0.2: U2.13 210.48,156.24 145.07,156.24 139.37,150.54 123.47,150.54 122.85,151.16 115.86,151.16 115.86,145.45 117.77,143.54 117.77,135.29 118.41,134.65 118.41,125.13 U6.8
Net-(U2-2Y): length 31.5
  Top w0.2: R105.1 193.33,155.61 221.27,155.61 U2.9
Net-(U3-1C2): length 34.4
  Top w0.2: U3.4 U3.3 150.16,135.29 145.07,135.29 143.17,137.19 135.55,137.19 v1(134.92,136.56)
  Bottom w0.2: v1(134.92,136.56) 134.28,135.92 134.28,125.76 U5.9
Net-(U3-1Y): length 8.7
  Top w0.2: R110.1 167.94,135.29 162.86,135.29 U3.7
Net-(U3-2C2): length 47.8
  Top w0.2: v1(128.56,142.91) 129.83,144.18 136.19,144.18 137.45,142.91 152.06,142.91 153.33,144.18 U3.13 U3.12 ; U5.12 130.47,131.48 127.3,134.65 v1(127.3,135.29) 126.02,136.56 U5.1
  Bottom w0.2: v1(127.3,135.29) 128.56,136.56 v1(128.56,142.91)
Net-(U3-2Y): length 8.5
  Bottom w0.2: U3.9 168.57,144.18 169.2,143.54 R108.1
Net-(U4-1C2): length 54.7
  Top w0.2: v1(123.48,145.45) 124.76,146.72 128.56,146.72 129.2,146.08 143.51,146.08 145.42,147.99 150.16,147.99 U4.3 U4.4
  Bottom w0.2: v1(123.48,145.45) 123.48,125.13 U6.9
Net-(U4-1Y): length 11.1
  Bottom w0.2: R106.1 162.22,150.53 161.58,149.89 U4.7
Net-(U4-2C2): length 65.9
  Top w0.2: v1(119.67,136.56) U6.1 ; U4.13 U4.12
  Bottom w0.2: U6.12 120.31,131.48 119.67,132.11 v1(119.67,136.56) 119.67,149.89 120.31,150.53 122.21,150.53 122.85,149.89 140,149.89 145.71,155.61 152.69,155.61 U4.13
Net-(U4-2Y): length 5.1
  Top w0.2: U4.9 R104.1
Net-(U5-R01): length 157.9
  Top w0.2: v1(100.63,27.97) v1(119.67,27.97) ; U5.2 123.48,135.29 115.86,135.29 U6.2
  Bottom w0.2: v1(119.67,27.97) 119.67,66.71 120.95,67.98 120.95,83.22 117.14,87.03 117.14,89.57 115.86,90.84 115.86,102.9 114.6,104.17 114.6,113.06 117.14,115.6 117.14,128.94 U6.3 U6.2 ; v1(100.63,27.97) 99.36,29.24 99.36,39.4 98.08,40.67 ; U5.3 U5.2
Net-(V1-A): length 14.5
  Top w0.2: v1(120.95,17.81) V1.2
  Bottom w0.2: R207.1 120.95,24.16 v1(120.95,17.81)
Net-(V1-K): length 6
  Bottom w0.2: V1.1 112.05,15.91 111.42,15.27 ECEM1.11
Net-(X1-Pin_a3): length 2.5
  Top w0.2: 15.66,154.34 18.2,154.34
Net-(X8.10-Pin_1): length 63.8
  Top w0.2: v1(124.76,74.96) 112.69,74.96 111.42,73.69 108.24,73.69 107.61,74.33 75.86,74.33 75.23,73.69
  Bottom w0.2: v1(124.76,74.96) 124.76,63.53 X8.10.1
Net-(X9.1-Pin_1): length 6.2
  Top w0.2: v1(53.64,85.12) X9.1.1
  Bottom w0.2: FUBU1.8 53.64,87.03 v1(53.64,85.12)
Net-(X9.2-Pin_1): length 18.8
  Top w0.2: v1(66.34,78.77) 62.53,78.77 61.25,80.04 X9.2.1
  Bottom w0.2: FMCS1.12 66.34,72.42 v1(66.34,78.77)
Net-(X10.2-Pin_1): length 17.6
  Top w0.2: GGBU1.12 43.48,99.73 v1(51.09,99.73)
  Bottom w0.2: X10.2.1 51.09,106.08 v1(51.09,99.73)
Net-(X11.2-Pin_1): length 17
  Top w0.2: X11.2.1 v1(39.67,112.43) ; v1(39.67,103.54) GGBU1.1
  Bottom w0.2: v1(39.67,112.43) 40.3,111.79 40.3,105.44 39.67,104.81 v1(39.67,103.54)
Net-(X13.1-Pin_1): length 216.5
  Top w0.2: ECEM1.3 99.36,17.81 98.08,19.08 v1(91.73,19.08) ; v1(13,111.16) 28.23,111.16 X13.1.1
  Bottom w0.2: v1(13,111.16) 13,54.01 14.27,52.74 14.27,37.5 11.73,34.96 11.73,13.37 18.71,6.38 33.31,6.38 34.59,5.11 66.34,5.11 67.61,6.38 81.58,6.38 91.73,16.54 v1(91.73,19.08)

## Copper pours and planes (outline as drawn; the poured copper is in the pictures)
A on In1.Cu: 1.57,153.7 8.55,153.7 8.55,158.78 91.1,158.78 91.1,153.7 97.45,153.7 97.45,158.78 135.55,158.78 135.55,153.7 141.26,153.7 141.26,158.78 225.09,158.78 225.09,154.34 231.44,154.34 231.44,8.29 225.09,8.29 225.09,3.84 97.45,3.84 97.45,7.65 91.73,7.65 91.73,3.84 8.55,3.84 8.55,7.02 1.57,7.02
B on In2.Cu: 1.57,153.7 8.55,153.7 8.55,158.78 91.1,158.78 91.1,153.7 97.45,153.7 97.45,158.78 135.55,158.78 135.55,153.7 141.26,153.7 141.26,158.78 225.09,158.78 225.09,154.34 231.44,154.34 231.44,8.29 225.09,8.29 225.09,3.84 97.45,3.84 97.45,7.65 91.73,7.65 91.73,3.84 8.55,3.84 8.55,7.02 1.57,7.02

## Text on the board
F.Silkscreen: K | I | G | E | C | H | A | X | W | U | S | Q | O | M | F | D | B | A- | B- | C- | D- | E- | F-
